# Altium PCB DDR3_Example.PcbDoc (part 1 of 6) (continued)
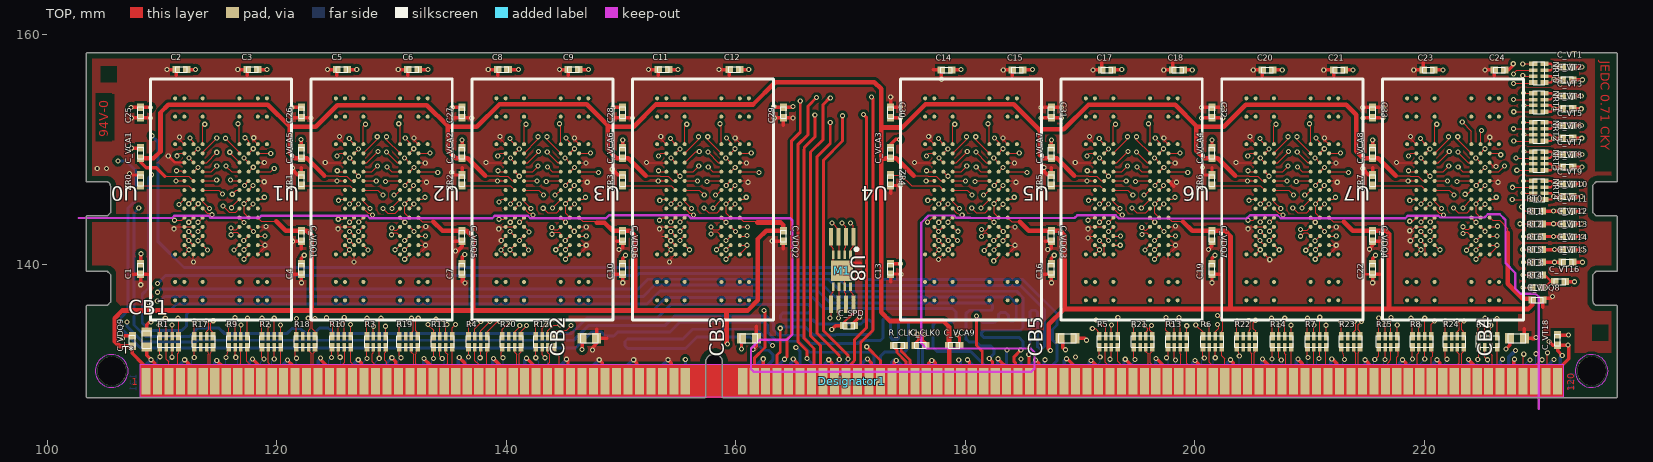
[diagram p0: TOP view]
## Footprints (in the part's own frame and the unit in brackets; to place one, negate y for a bottom-side part, rotate by r counter-clockwise, add the part's x,y. Pads: shape width x height; smd on the part's side, far side on the other; paste and mask are expansions set on the pad)
CHIP0402 [mm] "CHIP0402"
  rect 0.66x0.61 smd: 1(-0.46,0.005) 2(0.454,0.005)
  silkscreen extent -0.5,-0.24 0.5,0.26
CONN240_DDR3 [mm] "CONN240_DDR3"
  rect 0.8x2.3 smd: 1(-61.507,0.064) 2(-60.507,0.064) 3(-59.507,0.064) 4(-58.507,0.064) 5(-57.507,0.064) 6(-56.507,0.064) 7(-55.507,0.064) 8(-54.507,0.064) 9(-53.507,0.064) 10(-52.507,0.064) 11(-51.507,0.064) 12(-50.507,0.064) 13(-49.507,0.064) 14(-48.507,0.064) 15(-47.507,0.064) 16(-46.507,0.064) 17(-45.507,0.064) 18(-44.507,0.064) 19(-43.507,0.064) 20(-42.507,0.064) 21(-41.507,0.064) 22(-40.507,0.064) 23(-39.507,0.064) 24(-38.507,0.064) 25(-37.507,0.064) 26(-36.507,0.064) 27(-35.507,0.064) 28(-34.507,0.064) 29(-33.507,0.064) 30(-32.507,0.064) 31(-31.507,0.064) 32(-30.507,0.064) 33(-29.507,0.064) 34(-28.507,0.064) 35(-27.507,0.064) 36(-26.507,0.064) 37(-25.507,0.064) 38(-24.507,0.064) 39(-23.507,0.064) 40(-22.507,0.064) 41(-21.507,0.064) 42(-20.507,0.064) 43(-19.507,0.064) 44(-18.507,0.064) 45(-17.507,0.064) 46(-16.507,0.064) 47(-15.507,0.064) 48(-14.507,0.064) 49(-9.507,0.064) 50(-8.507,0.064) 51(-7.507,0.064) 52(-6.507,0.064) 53(-5.507,0.064) 54(-4.507,0.064) 55(-3.507,0.064) 56(-2.507,0.064) 57(-1.507,0.064) 58(-0.507,0.064) 59(0.493,0.064) 60(1.493,0.064) 61(2.493,0.064) 62(3.493,0.064) 63(4.493,0.064) 64(5.493,0.064) 65(6.493,0.064) 66(7.493,0.064) 67(8.493,0.064) 68(9.493,0.064) 69(10.493,0.064) 70(11.493,0.064) 71(12.493,0.064) 72(13.493,0.064) 73(14.493,0.064) 74(15.493,0.064) 75(16.493,0.064) 76(17.493,0.064) 77(18.493,0.064) 78(19.493,0.064) 79(20.493,0.064) 80(21.493,0.064) 81(22.493,0.064) 82(23.493,0.064) 83(24.493,0.064) 84(25.493,0.064) 85(26.493,0.064) 86(27.493,0.064) 87(28.493,0.064) 88(29.493,0.064) 89(30.493,0.064) 90(31.493,0.064) 91(32.493,0.064) 92(33.493,0.064) 93(34.493,0.064) 94(35.493,0.064) 95(36.493,0.064) 96(37.493,0.064) 97(38.493,0.064) 98(39.493,0.064) 99(40.493,0.064) 100(41.493,0.064) 101(42.493,0.064) 102(43.493,0.064) 103(44.493,0.064) 104(45.493,0.064) 105(46.493,0.064) 106(47.493,0.064) 107(48.493,0.064) 108(49.493,0.064) 109(50.493,0.064) 110(51.493,0.064) 111(52.493,0.064) 112(53.493,0.064) 113(54.493,0.064) 114(55.493,0.064) 115(56.493,0.064) 116(57.493,0.064) 117(58.493,0.064) 118(59.493,0.064) 119(60.493,0.064) 120(61.493,0.064)
  rect 0.8x2.3 smd far side: 121(-61.507,0.064) 122(-60.507,0.064) 123(-59.507,0.064) 124(-58.507,0.064) 125(-57.507,0.064) 126(-56.507,0.064) 127(-55.507,0.064) 128(-54.507,0.064) 129(-53.507,0.064) 130(-52.507,0.064) 131(-51.507,0.064) 132(-50.507,0.064) 133(-49.507,0.064) 134(-48.507,0.064) 135(-47.507,0.064) 136(-46.507,0.064) 137(-45.507,0.064) 138(-44.507,0.064) 139(-43.507,0.064) 140(-42.507,0.064) 141(-41.507,0.064) 142(-40.507,0.064) 143(-39.507,0.064) 144(-38.507,0.064) 145(-37.507,0.064) 146(-36.507,0.064) 147(-35.507,0.064) 148(-34.507,0.064) 149(-33.507,0.064) 150(-32.507,0.064) 151(-31.507,0.064) 152(-30.507,0.064) 153(-29.507,0.064) 154(-28.507,0.064) 155(-27.507,0.064) 156(-26.507,0.064) 157(-25.507,0.064) 158(-24.507,0.064) 159(-23.507,0.064) 160(-22.507,0.064) 161(-21.507,0.064) 162(-20.507,0.064) 163(-19.507,0.064) 164(-18.507,0.064) 165(-17.507,0.064) 166(-16.507,0.064) 167(-15.507,0.064) 168(-14.507,0.064) 169(-9.507,0.064) 170(-8.507,0.064) 171(-7.507,0.064) 172(-6.507,0.064) 173(-5.507,0.064) 174(-4.507,0.064) 175(-3.507,0.064) 176(-2.507,0.064) 177(-1.507,0.064) 178(-0.507,0.064) 179(0.493,0.064) 180(1.493,0.064) 181(2.493,0.064) 182(3.493,0.064) 183(4.493,0.064) 184(5.493,0.064) 185(6.493,0.064) 186(7.493,0.064) 187(8.493,0.064) 188(9.493,0.064) 189(10.493,0.064) 190(11.493,0.064) 191(12.493,0.064) 192(13.493,0.064) 193(14.493,0.064) 194(15.493,0.064) 195(16.493,0.064) 196(17.493,0.064) 197(18.493,0.064) 198(19.493,0.064) 199(20.493,0.064) 200(21.493,0.064) 201(22.493,0.064) 202(23.493,0.064) 203(24.493,0.064) 204(25.493,0.064) 205(26.493,0.064) 206(27.493,0.064) 207(28.493,0.064) 208(29.493,0.064) 209(30.493,0.064) 210(31.493,0.064) 211(32.493,0.064) 212(33.493,0.064) 213(34.493,0.064) 214(35.493,0.064) 215(36.493,0.064) 216(37.493,0.064) 217(38.493,0.064) 218(39.493,0.064) 219(40.493,0.064) 220(41.493,0.064) 221(42.493,0.064) 222(43.493,0.064) 223(44.493,0.064) 224(45.493,0.064) 225(46.493,0.064) 226(47.493,0.064) 227(48.493,0.064) 228(49.493,0.064) 229(50.493,0.064) 230(51.493,0.064) 231(52.493,0.064) 232(53.493,0.064) 233(54.493,0.064) 234(55.493,0.064) 235(56.493,0.064) 236(57.493,0.064) 237(58.493,0.064) 238(59.493,0.064) 239(60.493,0.064) 240(61.493,0.064)
  Multi-Layer keep-out region: -62.007,-1.336 -62.007,1.564 61.993,1.564 61.993,-1.336 -62.007,-1.336
DDR3_FBGA78X8 [mm] "DDR3_FBGA78X8"
  round 0.35 smd: " "(-4,4.801) " "(-4,7.201) " "(-4,8.802) " "(-4,-8.798) " "(-4,-7.198) " "(-4,-4.798) " "(-3.2,8.802) " "(-3.2,7.201) " "(-3.2,-7.198) " "(-3.2,-8.798) " "(-1.6,8.802) " "(-1.6,7.201) " "(-1.6,-7.198) " "(-1.6,-8.798) " "(1.601,8.802) " "(1.601,7.201) " "(1.601,-7.198) " "(1.601,-8.798) " "(3.201,8.802) " "(3.201,7.201) " "(3.201,-7.198) " "(3.201,-8.798) " "(4.001,4.801) " "(4.001,7.201) " "(4.001,8.802) " "(4.001,-8.798) " "(4.001,-7.198) " "(4.001,-4.798) A1(-3.2,4.801) A2(-2.4,4.801) A3(-1.6,4.801) A7(1.601,4.801) A8(2.401,4.801) A9(3.201,4.801) B1(-3.2,4.001) B2(-2.4,4.001) B3(-1.6,4.001) B7(1.601,4.001) B8(2.401,4.001) B9(3.201,4.001) C1(-3.2,3.201) C2(-2.4,3.201) C3(-1.6,3.201) C7(1.601,3.201) C8(2.401,3.201) C9(3.201,3.201) D1(-3.2,2.401) D2(-2.4,2.401) D3(-1.6,2.401) D7(1.601,2.401) D8(2.401,2.401) D9(3.201,2.401) E1(-3.2,1.601) E2(-2.4,1.601) E3(-1.6,1.601) E7(1.601,1.601) E8(2.401,1.601) E9(3.201,1.601) F1(-3.2,0.8) F2(-2.4,0.8) F3(-1.6,0.8) F7(1.601,0.8) F8(2.401,0.8) F9(3.201,0.8) G1(-3.2,0) G2(-2.4,0) G3(-1.6,0) G7(1.601,0) G8(2.401,0) G9(3.201,0) H1(-3.2,-0.8) H2(-2.4,-0.8) H3(-1.6,-0.8) H7(1.601,-0.8) H8(2.401,-0.8) H9(3.201,-0.8) J1(-3.2,-1.6) J2(-2.4,-1.6) J3(-1.6,-1.6) J7(1.601,-1.6) J8(2.401,-1.6) J9(3.201,-1.6) K1(-3.2,-2.4) K2(-2.4,-2.4) K3(-1.6,-2.4) K7(1.601,-2.4) K8(2.401,-2.4) K9(3.201,-2.4) L1(-3.2,-3.197) L2(-2.4,-3.197) L3(-1.6,-3.197) L7(1.601,-3.197) L8(2.401,-3.197) L9(3.201,-3.2) M1(-3.2,-4) M2(-2.4,-3.998) M3(-1.6,-3.998) M7(1.601,-3.998) M8(2.401,-3.998) M9(3.201,-3.998) N1(-3.2,-4.798) N2(-2.4,-4.798) N3(-1.6,-4.798) N7(1.601,-4.798) N8(2.401,-4.798) N9(3.201,-4.798)
  silkscreen extent -6.15,-10.5 6.15,10.83
EEPROM_MLF_8PIN [mil] "EEPROM_MLF_8PIN"
  rect 30x9.29 smd: 1(-55,29.53) 2(-55,9.84) 3(-55,-9.84) 4(-55,-29.53) 5(55,-29.53) 6(55,-9.84) 7(55,9.84) 8(55,29.53)
  rect 69.02x75 smd: 9(0,0)
  silkscreen extent -78,45 -68,55
RPACK0402_4P [mm] "RPACK0402_4P"
  rect 0.406x0.711 smd: 1(-0.813,-0.483) 4(0.813,-0.483) 5(0.813,0.483) 8(-0.813,0.483)
  rect 0.305x0.711 smd: 2(-0.254,-0.483) 3(0.254,-0.483) 6(0.254,0.483) 7(-0.254,0.483)
  silkscreen extent -1,-0.5 1,0.5
SMC0603 [mil] "SMC0603"
  rect 35x30.98 smd: 1(0,30) 2(0,-20.98)
  silkscreen extent -15,-26 15,34
SSOP8_65MM [mm] "SSOP8_65MM"
  rect 1.52x0.35 smd: 1(-2.94,0.975) 2(-2.94,0.325) 3(-2.94,-0.325) 4(-2.94,-0.975) 5(2.94,-0.975) 6(2.94,-0.325) 7(2.94,0.325) 8(2.94,0.975)

## Free pads (board coordinates)
  rect 0x0 smd: 1(105.376,156.53) 1(235.326,134.03)
  round 2.5 hole 2.5: ""(105.626,130.68) ""(234.576,130.68)

## Via types
v1: diameter 0.45, hole 0.25, TOP to BOTTOM, 910 vias

## Nets (pads, with @x,y where several pads share a name; then routed paths per layer and width w, separated by ;. In a path a pad name is that pad's centre, name@x,y a point inside that pad or via, vN(x,y) a via of type N, cw(c..) or ccw(c..) an arc to the next point about the centre after c; other vN are vias at no path point)
A<0>: NRT3.1 U0.K3 U1.K3 U2.K3 U3.K3 U4.K3 U5.K3 U6.K3 U7.K3 | length 232.3
  TOP w0.1: v1(115.576,148.532) 116.065,148.043 U0.K3@116.746,148.043 ; v1(129.596,148.46) 130.013,148.043 U1.K3@130.746,148.043 ; v1(143.596,148.46) 144.013,148.043 U2.K3@144.746,148.043 ; v1(157.596,148.46) 158.013,148.043 U3.K3@158.746,148.043 ; v1(180.946,148.46) 181.363,148.043 U4.K3@182.096,148.043 ; v1(194.946,148.46) 195.363,148.043 U5.K3@196.096,148.043 ; v1(208.946,148.46) 209.363,148.043 U6.K3@210.096,148.043 ; v1(222.946,148.46) 223.363,148.043 U7.K3@224.096,148.043 ; v1(228.689,149.793) NRT3.1@229.493,149.793
  IN2_L4 w0.17: 109.643,144.177 109.643,146.06 110.626,147.043 110.626,147.27 111.036,147.68 111.4,147.68 111.52,147.56 114.006,147.56 114.366,147.92 114.964,147.92 v1(115.576,148.532) 115.692,148.416 117.35,148.416 117.764,148.002 117.958,148.002 117.96,148 118.326,148 118.601,148.275 119.031,148.275 119.542,148.786 121.161,148.786 121.194,148.819 123.183,148.819 123.772,148.23 124.757,148.23 125.094,148.567 125.834,148.567 126.111,148.29 127.416,148.29 127.686,148.02 129.156,148.02 v1(129.596,148.46) 129.652,148.404 131.348,148.404 131.509,148.243 131.509,148.239 131.764,147.984 132.128,147.984 132.507,148.363 133.118,148.363 133.125,148.37 133.446,148.37 134.106,149.03 134.756,149.03 135.006,148.78 137.386,148.78 137.786,148.38 138.907,148.38 139.094,148.567 139.458,148.567 139.679,148.346 142.341,148.346 142.594,148.093 142.957,148.093 142.994,148.13 143.266,148.13 v1(143.596,148.46) 143.652,148.404 145.348,148.404 145.509,148.243 145.509,148.239 145.764,147.984 146.128,147.984 146.507,148.363 147.609,148.363 148.296,149.05 148.656,149.05 148.976,148.73 151.546,148.73 151.906,148.37 152.897,148.37 153.094,148.567 153.458,148.567 153.679,148.346 156.341,148.346 156.594,148.093 157.229,148.093 v1(157.596,148.46) 157.652,148.404 159.348,148.404 159.509,148.243 159.509,148.239 159.764,147.984 160.128,147.984 160.507,148.363 161.118,148.363 161.125,148.37 161.246,148.37 161.656,148.78 162.796,148.78 163.206,148.37 166.266,148.37 166.606,148.71 168.022,148.71 168.386,148.346 176.223,148.346 176.444,148.567 176.808,148.567 177.215,148.16 178.616,148.16 178.756,148.02 180.506,148.02 v1(180.946,148.46) 181.002,148.404 182.698,148.404 182.859,148.243 182.859,148.239 183.114,147.984 183.478,147.984 183.857,148.363 184.679,148.363 184.986,148.67 185.995,148.67 186.684,147.981 189.347,147.981 189.933,148.567 190.808,148.567 191.029,148.346 193.691,148.346 193.944,148.093 194.439,148.093 194.806,148.46 v1(194.946,148.46) 195.002,148.404 196.698,148.404 196.859,148.243 196.859,148.239 197.114,147.984 197.478,147.984 197.857,148.363 198.468,148.363 198.475,148.37 199.137,148.37 199.604,148.837 202.859,148.837 203.466,148.23 204.107,148.23 204.444,148.567 204.808,148.567 205.029,148.346 207.691,148.346 207.967,148.07 208.446,148.07 208.836,148.46 v1(208.946,148.46) 209.002,148.404 210.698,148.404 210.859,148.243 210.859,148.239 211.114,147.984 211.478,147.984 211.857,148.363 212.468,148.363 212.475,148.37 213.076,148.37 213.496,148.79 215.026,148.79 215.376,148.44 215.929,148.44 216.219,148.73 216.906,148.73 217.266,148.37 218.247,148.37 218.444,148.567 218.808,148.567 219.029,148.346 221.39,148.346 221.643,148.093 222.579,148.093 v1(222.946,148.46) 223.018,148.532 224.672,148.532 225.13,148.99 226.816,148.99 227.621,149.795 228.154,149.795 228.156,149.793 v1(228.689,149.793)
  IN2_L4 w0.254: 109.643,144.177 109.643,143.169 109.642,143.168 109.642,141.894 109.942,141.594 109.942,139.634 113.292,136.284 113.292,134.693 113.886,134.101 145.741,134.101 146.245,133.597 147.088,133.597 148.636,135.145 159.871,135.145 162.664,132.352 164.068,132.352 165.086,133.37 167.316,133.37 167.786,132.9 170.026,132.9 170.556,133.43 171.556,133.43 171.968,133.018 171.968,130.288 172.966,129.29 179.696,129.29 180.126,129.72 180.126,130.36 179.426,131.06 v1(179.426,131.63)
  BOTTOM w0.254: v1(179.426,131.63) 179.596,131.46 179.596,131.211 179.601,131.206 179.601,129.784
A<1>: NRT1.4 U0.L7 U1.L7 U2.L7 U3.L7 U4.L7 U5.L7 U6.L7 U7.L7 | length 244
  TOP w0.1: U0.L7@113.545,148.84 113.882,148.84 v1(114.776,149.734) ; U1.L7@127.545,148.84 127.862,148.84 128.818,149.796 v1(128.818,149.804) ; U2.L7@141.545,148.84 141.862,148.84 142.818,149.796 v1(142.818,149.804) ; U3.L7@155.545,148.84 156.509,149.804 v1(156.818,149.804) ; U4.L7@178.895,148.84 179.212,148.84 180.168,149.796 v1(180.168,149.804) ; U5.L7@192.895,148.84 193.212,148.84 194.168,149.796 v1(194.168,149.804) ; U6.L7@206.895,148.84 207.204,148.84 v1(208.168,149.804) ; U7.L7@220.895,148.84 221.204,148.84 v1(222.168,149.804) ; v1(227.789,153.267) NRT1.4@229.493,153.267
  IN2_L4 w0.17: 107.831,146.555 108.5,147.224 108.5,148.164 110.216,149.88 112.446,149.88 112.733,149.593 114.635,149.593 v1(114.776,149.734) 114.811,149.769 115.319,149.769 115.73,150.18 116.326,150.18 116.677,150.531 118.256,150.531 118.625,150.9 121.326,150.9 121.823,150.403 122.559,150.403 122.956,150.8 125.066,150.8 125.463,150.403 126.858,150.403 126.955,150.5 127.606,150.5 128.302,149.804 v1(128.818,149.804) 128.904,149.89 129.066,149.89 129.666,150.49 132.186,150.49 133.016,151.32 134.986,151.32 135.924,150.382 140.848,150.382 140.947,150.481 141.411,150.481 141.969,149.923 142.699,149.923 v1(142.818,149.804) 143.115,150.101 143.133,150.101 143.522,150.49 144.026,150.49 144.276,150.24 144.856,150.24 145.106,150.49 146.196,150.49 146.676,150.97 149.166,150.97 149.754,150.382 153.038,150.382 153.266,150.61 154.018,150.61 154.147,150.481 155.411,150.481 156.088,149.804 v1(156.818,149.804) 156.86,149.804 157.161,150.105 157.281,150.105 157.666,150.49 160.156,150.49 160.536,150.87 161.446,150.87 162.176,150.14 174.346,150.14 175.106,150.9 176.096,150.9 176.525,150.471 179.501,150.471 v1(180.168,149.804) 180.254,149.89 180.416,149.89 181.016,150.49 183.776,150.49 184.266,150.98 185.146,150.98 185.744,150.382 187.828,150.382 188.206,150.76 190.138,150.76 190.516,150.382 192.198,150.382 192.297,150.481 192.761,150.481 193.204,150.038 193.934,150.038 v1(194.168,149.804) 194.465,150.101 194.483,150.101 194.872,150.49 197.496,150.49 197.886,150.88 200.476,150.88 200.974,150.382 201.898,150.382 202.366,150.85 204.038,150.85 204.506,150.382 206.198,150.382 206.297,150.481 206.761,150.481 207.438,149.804 v1(208.168,149.804) 208.465,150.101 208.483,150.101 208.872,150.49 211.526,150.49 212.196,151.16 212.776,151.16 213.156,150.78 214.596,150.78 214.994,150.382 217.878,150.382 218.106,150.61 219.118,150.61 219.346,150.382 220.198,150.382 220.297,150.481 220.761,150.481 221.438,149.804 v1(222.168,149.804) 222.33,149.804 223.519,150.993 223.66,150.993 224.107,151.44 224.126,151.44 225.953,153.267 v1(227.789,153.267)
  IN2_L4 w0.254: v1(106.962,134.96) 107.456,135.454 107.456,146.18 107.831,146.555
  BOTTOM w0.254: v1(106.962,134.96) 106.962,134.574 108.343,133.193 112.886,133.193 113.053,133.36 145.886,133.36 147.186,134.66 153.856,134.66 154.657,135.461 162.678,135.461 163.291,134.848 163.291,134.247 163.74,133.798 165.738,133.798 166.446,133.09 170.628,133.09 170.878,133.34 172.606,133.34 172.826,133.56 172.826,135.17 172.996,135.34 173.336,135.34 173.496,135.18 173.496,133.59 173.677,133.409 174.035,133.409 174.161,133.535 174.161,134.985 174.386,135.21 174.836,135.21 175.046,135 175.046,132.68 174.686,132.32 172.951,132.32 172.601,131.97 172.601,129.784
A<2>: NRT2.1 U0.L3 U1.L3 U2.L3 U3.L3 U4.L3 U5.L3 U6.L3 U7.L3 | length 234.5
  TOP w0.1: v1(115.905,149.736) 115.906,149.7 115.916,149.7 116.746,148.87 U0.L3@116.746,148.84 ; v1(129.57,149.749) 129.583,149.749 130.492,148.84 U1.L3@130.746,148.84 ; v1(143.57,149.749) 143.583,149.749 144.492,148.84 U2.L3@144.746,148.84 ; v1(157.57,149.749) 157.583,149.749 158.492,148.84 U3.L3@158.746,148.84 ; v1(180.92,149.749) 180.933,149.749 181.842,148.84 U4.L3@182.096,148.84 ; v1(194.92,149.749) 194.933,149.749 195.842,148.84 U5.L3@196.096,148.84 ; v1(208.92,149.749) 209.829,148.84 U6.L3@210.096,148.84 ; v1(222.92,149.749) 223.829,148.84 U7.L3@224.096,148.84 ; v1(228.639,152.343) NRT2.1@229.493,152.343
  TOP w0.254: v1(171.406,132.79) 172.601,131.595 172.601,129.784
  IN2_L4 w0.17: 108.634,146.41 108.634,146.678 110.923,148.967 111.847,148.967 112.044,148.77 112.786,148.77 113.126,149.11 114.866,149.11 115.125,149.369 115.538,149.369 v1(115.905,149.736) 115.906,149.737 116.603,149.737 116.916,150.05 117.326,150.05 117.764,149.612 118.268,149.612 119.016,150.36 121.166,150.36 121.799,149.727 122.693,149.727 123.198,150.232 124.746,150.232 125.007,149.971 126.385,149.971 127.059,149.297 129.117,149.297 v1@129.569,149.749 ; v1(129.57,149.749) 129.576,149.749 129.583,149.756 131.42,149.756 131.606,149.57 132.106,149.57 133.246,150.71 134.736,150.71 135.546,149.9 140.486,149.9 141.089,149.297 143.118,149.297 v1(143.57,149.749) 143.609,149.71 145.466,149.71 145.606,149.57 146.106,149.57 146.996,150.46 148.876,150.46 149.436,149.9 153.276,149.9 153.526,150.15 153.866,150.15 154.116,149.9 154.486,149.9 155.089,149.297 157.118,149.297 v1(157.57,149.749) 157.609,149.71 159.466,149.71 159.606,149.57 160.106,149.57 160.786,150.25 161.436,150.25 161.956,149.73 168.656,149.73 168.856,149.53 174.486,149.53 175.236,150.28 176.016,150.28 176.406,149.89 177.793,149.89 178.373,149.31 180.481,149.31 v1(180.92,149.749) 180.926,149.749 180.926,149.756 180.972,149.71 182.816,149.71 182.956,149.57 183.646,149.57 184.436,150.36 184.881,150.36 185.341,149.9 188.166,149.9 188.506,150.24 189.816,150.24 190.156,149.9 191.836,149.9 192.439,149.297 194.343,149.297 194.795,149.749 v1(194.92,149.749) 194.959,149.71 196.816,149.71 196.956,149.57 197.456,149.57 198.236,150.35 200.216,150.35 200.666,149.9 202.266,149.9 202.606,150.24 203.756,150.24 204.096,149.9 205.856,149.9 206.459,149.297 208.468,149.297 v1(208.92,149.749) v1@208.926,149.755 ; v1@208.926,149.756 209.19,150.02 210.506,150.02 210.956,149.57 211.456,149.57 212.186,150.3 214.346,150.3 214.746,149.9 218.236,149.9 218.436,150.1 218.846,150.1 219.046,149.9 219.896,149.9 220.499,149.297 222.468,149.297 v1(222.92,149.749) 222.985,149.749 223.776,150.54 224.506,150.54 226.309,152.343 v1(228.639,152.343)
  IN2_L4 w0.254: 108.634,146.41 108.634,144.12 108.206,143.692 108.206,141.6 108.635,141.171 108.635,140.409 108.226,140 108.226,139.209 108.635,138.8 108.635,137.309 108.187,136.861 108.187,133.949 108.996,133.14 109.692,133.14 109.976,133.424 109.976,133.88 110.166,134.07 110.526,134.07 110.746,133.85 110.746,133.34 110.982,133.104 111.241,133.104 111.464,133.327 111.464,133.697 111.677,133.91 111.993,133.91 112.216,133.687 112.216,133.257 112.439,133.034 144.732,133.034 145.725,132.041 147.805,132.041 148.014,132.25 155.356,132.25 155.806,132.7 155.806,133.66 156.071,133.925 159.121,133.925 159.916,133.13 159.916,131.69 161.166,130.44 170.356,130.44 170.776,130.86 170.776,132.47 171.096,132.79 v1(171.406,132.79)
A<3>: NRT3.2 U0.K2 U1.K2 U2.K2 U3.K2 U4.K2 U5.K2 U6.K2 U7.K2 | length 232.6
  TOP w0.1: U0.K2@117.546,148.043 117.942,148.439 v1(117.957,148.439) ; U1.K2@131.546,148.043 131.568,148.043 v1(131.946,148.421) ; U2.K2@145.546,148.043 145.568,148.043 v1(145.946,148.421) ; U3.K2@159.546,148.043 159.568,148.043 v1(159.946,148.421) ; U4.K2@182.896,148.043 182.918,148.043 v1(183.296,148.421) ; U5.K2@196.896,148.043 196.918,148.043 v1(197.296,148.421) ; U6.K2@210.896,148.043 210.918,148.043 v1(211.296,148.421) ; U7.K2@224.896,148.043 224.918,148.043 v1(225.296,148.421) ; v1(227.996,149.24) 228.002,149.234 NRT3.2@229.493,149.234
  IN1_L3 w0.17: 109.777,148.942 110.345,148.374 110.901,148.374 111.097,148.57 112.566,148.57 112.832,148.836 113.466,148.836 114.197,148.105 116.006,148.105 116.281,148.38 117.898,148.38 v1(117.957,148.439) 118.376,148.02 118.471,148.02 118.482,148.01 119.432,148.01 119.622,147.82 120.056,147.82 120.486,148.25 120.876,148.25 121.306,147.82 121.716,147.82 122.046,148.15 124.376,148.15 124.793,148.567 127.859,148.567 128.353,148.073 129.014,148.073 129.067,148.02 131.545,148.02 v1(131.946,148.421) 131.956,148.411 132.135,148.411 132.583,147.963 133.284,147.963 133.748,148.427 137.639,148.427 138.036,148.03 138.384,148.03 138.921,148.567 139.569,148.567 140.043,148.093 140.509,148.093 140.706,148.29 141.829,148.29 142.026,148.093 142.994,148.093 143.064,148.023 144.019,148.023 144.346,148.35 145.875,148.35 v1(145.946,148.421) 146.356,148.011 146.447,148.011 146.497,147.963 147.284,147.963 147.748,148.427 148.379,148.427 148.987,147.819 149.435,147.819 149.806,148.19 152.544,148.19 152.921,148.567 153.939,148.567 154.378,148.128 156.559,148.128 156.594,148.093 157.344,148.093 157.414,148.023 158.626,148.023 158.833,148.23 159.755,148.23 v1(159.946,148.421) 160.125,148.421 160.583,147.963 161.38,147.963 161.844,148.427 171.756,148.427 172.303,147.88 175.757,147.88 176.444,148.567 176.859,148.567 177.416,148.01 177.996,148.01 178.296,148.31 179.516,148.31 179.753,148.073 180.364,148.073 180.414,148.023 181.249,148.023 181.346,148.12 182.995,148.12 v1(183.296,148.421) 183.306,148.411 183.485,148.411 183.933,147.963 184.634,147.963 185.098,148.427 186.039,148.427 186.536,147.93 187.036,147.93 187.476,148.37 189.106,148.37 189.266,148.21 189.914,148.21 190.271,148.567 191.289,148.567 191.556,148.3 193.737,148.3 193.944,148.093 194.344,148.093 194.414,148.023 195.835,148.023 196.042,148.23 197.105,148.23 v1(197.296,148.421) ; v1@197.315,148.442 197.296,148.442 v1(197.296,148.421) ; v1(227.996,149.24) 227.596,148.84 227.596,148.395 227.246,148.045 226.041,148.045 225.665,148.421 v1(225.296,148.421) 225.185,148.31 223.546,148.31 223.259,148.023 222.414,148.023 222.364,148.073 221.964,148.073 221.909,148.128 220.298,148.128 219.846,148.58 218.284,148.58 217.994,148.29 215.366,148.29 214.895,147.819 214.337,147.819 213.729,148.427 213.098,148.427 212.634,147.963 211.933,147.963 211.835,148.06 211.475,148.421 v1(211.296,148.421) 211.165,148.29 209.526,148.29 209.259,148.023 208.764,148.023 208.694,148.093 207.944,148.093 207.909,148.128 205.728,148.128 205.289,148.567 204.093,148.567 203.866,148.34 201.336,148.34 200.815,147.819 200.337,147.819 199.729,148.427 199.098,148.427 198.634,147.963 197.853,147.963 197.395,148.421 v1(197.296,148.421)
  IN1_L3 w0.254: v1(106.166,148.98) 106.176,148.98 106.776,148.38 108.876,148.38 109.036,148.54 109.036,148.84 108.916,148.96 107.066,148.96 106.915,149.111 106.915,149.43 107.065,149.58 109.407,149.58 109.667,149.32 109.667,149.052 109.777,148.942
  BOTTOM w0.254: v1(106.166,148.98) 106.876,148.98 107.706,148.15 107.706,145.52 107.046,144.86 107.046,135.95 106.446,135.35 106.446,134.36 108.026,132.78 108.043,132.78 108.134,132.689 146.055,132.689 147.456,134.09 148.276,134.09 148.626,133.74 149.356,133.74 149.706,134.09 154.266,134.09 155.106,134.93 162.496,134.93 162.786,134.64 162.786,134.039 163.556,133.269 165.457,133.269 166.415,132.311 171.785,132.311 172.036,132.06 172.036,131.36 171.601,130.925 171.601,129.784
A<4>: NRT2.4 U0.L8 U1.L8 U2.L8 U3.L8 U4.L8 U5.L8 U6.L8 U7.L8 | length 233.3
  TOP w0.1: v1(112.366,149.23) 112.745,148.851 U0.L8@112.745,148.84 ; v1(126.356,149.23) U1.L8@126.745,148.84 ; v1(140.356,149.23) U2.L8@140.745,148.84 ; v1(154.356,149.23) U3.L8@154.745,148.84 ; v1(177.706,149.23) U4.L8@178.095,148.84 ; v1(191.706,149.23) U5.L8@192.095,148.84 ; v1(205.706,149.23) U6.L8@206.095,148.84 ; v1(219.706,149.23) U7.L8@220.095,148.84 ; v1(227.789,150.717) NRT2.4@229.493,150.717
  TOP w0.254: 170.601,129.784 170.546,129.839 170.546,130.782 170.884,131.12 170.884,131.262 170.885,131.263 170.885,132.408 170.884,132.409 170.884,133.161 171.96,134.237 171.96,154.416 v1(171.816,154.56)
  IN1_L3 w0.1: v1(112.366,149.23) v1@112.439,149.23
  IN1_L3 w0.17: 110.561,155.585 110.109,155.133 110.109,149.236 110.364,148.981 112.117,148.981 v1(112.366,149.23) ; v1@112.439,149.23 112.443,149.23 112.449,149.236 113.8,149.236 114.069,148.967 115.76,148.967 115.947,148.78 117.679,148.78 117.771,148.872 118.272,148.872 118.734,148.41 119.098,148.41 119.478,148.79 119.936,148.79 120.206,149.06 121.006,149.06 121.246,148.82 123.256,148.82 123.886,149.45 124.436,149.45 124.919,148.967 126.093,148.967 v1(126.356,149.23) 126.616,148.97 126.938,148.97 126.941,148.967 128.958,148.967 129.015,148.91 129.936,148.91 130.306,148.54 131.446,148.54 131.764,148.858 132.254,148.858 132.749,148.363 133.118,148.363 133.582,148.827 137.333,148.827 137.956,149.45 138.486,149.45 138.969,148.967 140.052,148.967 140.326,149.241 v1(140.356,149.23) 140.826,148.76 142.387,148.76 142.594,148.967 142.958,148.967 143.028,148.897 143.778,148.897 143.871,148.804 145.539,148.804 145.593,148.858 146.167,148.858 146.435,148.59 146.626,148.4 146.663,148.363 147.118,148.363 147.582,148.827 151.193,148.827 151.816,149.45 152.456,149.45 152.939,148.967 154.093,148.967 v1(154.356,149.23) 154.619,148.967 156.958,148.967 157.015,148.91 157.936,148.91 158.146,148.7 159.256,148.7 159.414,148.858 160.254,148.858 160.749,148.363 161.214,148.363 161.688,148.837 161.749,148.837 161.954,149.042 162.626,149.042 162.826,148.842 172.166,148.842 172.428,148.58 174.694,148.58 175.394,149.28 176.026,149.28 176.339,148.967 177.443,148.967 v1(177.706,149.23) 177.969,148.967 180.308,148.967 180.365,148.91 181.286,148.91 181.576,148.62 182.876,148.62 183.114,148.858 183.604,148.858 184.099,148.363 184.468,148.363 184.932,148.827 185.195,148.827 185.238,148.87 188.786,148.87 189.396,149.48 189.776,149.48 190.289,148.967 191.443,148.967 v1(191.706,149.23) 191.969,148.967 194.308,148.967 194.378,148.897 195.128,148.897 195.221,148.804 196.889,148.804 196.945,148.86 197.601,148.86 197.785,148.676 198.099,148.363 198.468,148.363 198.932,148.827 199.303,148.827 199.666,149.19 200.166,149.19 200.519,148.837 200.838,148.837 200.848,148.827 202.773,148.827 203.276,149.33 203.886,149.33 204.249,148.967 205.402,148.967 205.665,149.23 v1(205.706,149.23) 206.089,148.847 207.824,148.847 207.944,148.967 208.308,148.967 208.378,148.897 209.128,148.897 209.221,148.804 210.656,148.804 210.71,148.858 211.603,148.858 211.785,148.676 212.099,148.363 212.468,148.363 212.932,148.827 213.183,148.827 213.483,149.127 214.593,149.127 214.85,148.87 216.726,148.87 217.196,149.34 217.698,149.34 218.058,148.98 219.415,148.98 219.665,149.23 v1(219.706,149.23) 219.936,149.23 220.466,148.7 221.677,148.7 221.944,148.967 222.308,148.967 222.378,148.897 223.128,148.897 223.221,148.804 225.06,148.804 225.114,148.858 225.984,148.858 226.06,148.934 226.73,148.934 227.789,149.993 v1(227.789,150.717)
  IN1_L3 w0.254: 110.561,155.585 111.124,156.148 173.298,156.148 173.526,155.92 173.526,155.498 173.286,155.258 172.034,155.258 171.816,155.04 v1(171.816,154.56)

## Text inside footprints (layer, text, board x,y; h text height)
U2: PIN_NUMBER "A7" at 141.037,140.842 h0.64 r180; PIN_NUMBER "A3" at 144.238,140.842 h0.64 r180; PIN_NUMBER "F9" at 139.437,144.843 h0.64 r180; PIN_NUMBER "H1" at 145.838,146.443 h0.64 r180; PIN_NUMBER "F1" at 145.838,144.843 h0.64 r180; PIN_NUMBER "H9" at 139.437,146.443 h0.64 r180; PIN_NUMBER "C3" at 144.238,142.442 h0.64 r180; PIN_NUMBER "D3" at 144.238,143.242 h0.64 r180; PIN_NUMBER "B7" at 141.037,141.642 h0.64 r180; PIN_NUMBER "H8" at 140.237,146.443 h0.64 r180; PIN_NUMBER "H3" at 144.238,146.443 h0.64 r180; PIN_NUMBER "E1" at 145.838,144.042 h0.64 r180; PIN_NUMBER "J8" at 140.237,147.243 h0.64 r180; PIN_NUMBER "N2" at 145.038,150.441 h0.64 r180; PIN_NUMBER "F3" at 144.238,144.843 h0.64 r180; PIN_NUMBER "G1" at 145.838,145.643 h0.64 r180; PIN_NUMBER "B3" at 144.238,141.642 h0.64 r180; PIN_NUMBER "C2" at 145.038,142.442 h0.64 r180; PIN_NUMBER "C7" at 141.037,142.442 h0.64 r180; PIN_NUMBER "E8" at 140.237,144.042 h0.64 r180; PIN_NUMBER "E3" at 144.238,144.042 h0.64 r180; PIN_NUMBER "D2" at 145.038,143.242 h0.64 r180; PIN_NUMBER "E7" at 141.037,144.042 h0.64 r180; PIN_NUMBER "C8" at 140.237,142.442 h0.64 r180; PIN_NUMBER "H2" at 145.038,146.443 h0.64 r180; PIN_NUMBER "G9" at 139.437,145.643 h0.64 r180; PIN_NUMBER "G7" at 141.037,145.643 h0.64 r180; PIN_NUMBER "F7" at 141.037,144.843 h0.64 r180; PIN_NUMBER "G3" at 144.238,145.643 h0.64 r180; PIN_NUMBER "J3" at 144.238,147.243 h0.64 r180; PIN_NUMBER "K8" at 140.237,148.043 h0.64 r180; PIN_NUMBER "J2" at 145.038,147.243 h0.64 r180; PIN_NUMBER "M3" at 144.238,149.641 h0.64 r180; PIN_NUMBER "N8" at 140.237,150.441 h0.64 r180; PIN_NUMBER "M2" at 145.038,149.641 h0.64 r180; PIN_NUMBER "M8" at 140.237,149.641 h0.64 r180; PIN_NUMBER "L2" at 145.038,148.84 h0.64 r180; PIN_NUMBER "L8" at 140.237,148.84 h0.64 r180; PIN_NUMBER "K2" at 145.038,148.043 h0.64 r180; PIN_NUMBER "L3" at 144.238,148.84 h0.64 r180; PIN_NUMBER "L7" at 141.037,148.84 h0.64 r180; PIN_NUMBER "J7" at 141.037,147.243 h0.64 r180; PIN_NUMBER "N7" at 141.037,150.441 h0.64 r180; PIN_NUMBER "N3" at 144.238,150.441 h0.64 r180; PIN_NUMBER "K7" at 141.037,148.043 h0.64 r180; PIN_NUMBER "M7" at 141.037,149.641 h0.64 r180; PIN_NUMBER "H7" at 141.037,146.443 h0.64 r180; PIN_NUMBER "K3" at 144.238,148.043 h0.64 r180; PIN_NUMBER "N1" at 145.838,150.441 h0.64 r180; PIN_NUMBER "C9" at 139.437,142.442 h0.64 r180; PIN_NUMBER "B8" at 140.237,141.642 h0.64 r180; PIN_NUMBER "A8" at 140.237,140.842 h0.64 r180; PIN_NUMBER "L1" at 145.838,148.84 h0.64 r180; PIN_NUMBER "N9" at 139.513,151.358 h0.64 r180; PIN_NUMBER "A1" at 145.838,140.842 h0.64 r180; PIN_NUMBER "D1" at 145.838,143.242 h0.64 r180; PIN_NUMBER "B1" at 145.838,141.642 h0.64 r180; PIN_NUMBER "J9" at 139.437,147.243 h0.64 r180; PIN_NUMBER "L9" at 139.437,148.843 h0.64 r180; PIN_NUMBER "D9" at 139.437,143.242 h0.64 r180; PIN_NUMBER "J1" at 145.838,147.243 h0.64 r180; PIN_NUMBER "B2" at 145.038,141.642 h0.64 r180; PIN_NUMBER "D8" at 140.237,143.242 h0.64 r180; PIN_NUMBER "F8" at 140.237,144.843 h0.64 r180; PIN_NUMBER "F2" at 145.038,144.843 h0.64 r180; PIN_NUMBER "K9" at 139.437,148.043 h0.64 r180; PIN_NUMBER "G8" at 140.237,145.643 h0.64 r180; PIN_NUMBER "M9" at 139.437,149.641 h0.64 r180; PIN_NUMBER "M1" at 145.838,149.643 h0.64 r180; PIN_NUMBER "G2" at 145.038,145.643 h0.64 r180; PIN_NUMBER "E2" at 145.038,144.042 h0.64 r180; PIN_NUMBER "K1" at 145.838,148.043 h0.64 r180; PIN_NUMBER "E9" at 139.437,144.042 h0.64 r180; PIN_NUMBER "D7" at 141.037,143.242 h0.64 r180; PIN_NUMBER "B9" at 139.437,141.642 h0.64 r180; PIN_NUMBER "A9" at 139.437,140.842 h0.64 r180; PIN_NUMBER "A2" at 145.038,140.842 h0.64 r180; PIN_NUMBER "C1" at 145.838,142.442 h0.64 r180
U3: PIN_NUMBER "A7" at 155.037,140.842 h0.64 r180; PIN_NUMBER "A3" at 158.238,140.842 h0.64 r180; PIN_NUMBER "F9" at 153.437,144.843 h0.64 r180; PIN_NUMBER "H1" at 159.838,146.443 h0.64 r180; PIN_NUMBER "F1" at 159.838,144.843 h0.64 r180; PIN_NUMBER "H9" at 153.437,146.443 h0.64 r180; PIN_NUMBER "C3" at 158.238,142.442 h0.64 r180; PIN_NUMBER "D3" at 158.238,143.242 h0.64 r180; PIN_NUMBER "B7" at 155.037,141.642 h0.64 r180; PIN_NUMBER "H8" at 154.237,146.443 h0.64 r180; PIN_NUMBER "H3" at 158.238,146.443 h0.64 r180; PIN_NUMBER "E1" at 159.838,144.042 h0.64 r180; PIN_NUMBER "J8" at 154.237,147.243 h0.64 r180; PIN_NUMBER "N2" at 159.038,150.441 h0.64 r180; PIN_NUMBER "F3" at 158.238,144.843 h0.64 r180; PIN_NUMBER "G1" at 159.838,145.643 h0.64 r180; PIN_NUMBER "B3" at 158.238,141.642 h0.64 r180; PIN_NUMBER "C2" at 159.038,142.442 h0.64 r180; PIN_NUMBER "C7" at 155.037,142.442 h0.64 r180; PIN_NUMBER "E8" at 154.237,144.042 h0.64 r180; PIN_NUMBER "E3" at 158.238,144.042 h0.64 r180; PIN_NUMBER "D2" at 159.038,143.242 h0.64 r180; PIN_NUMBER "E7" at 155.037,144.042 h0.64 r180; PIN_NUMBER "C8" at 154.237,142.442 h0.64 r180; PIN_NUMBER "H2" at 159.038,146.443 h0.64 r180; PIN_NUMBER "G9" at 153.437,145.643 h0.64 r180; PIN_NUMBER "G7" at 155.037,145.643 h0.64 r180; PIN_NUMBER "F7" at 155.037,144.843 h0.64 r180; PIN_NUMBER "G3" at 158.238,145.643 h0.64 r180; PIN_NUMBER "J3" at 158.238,147.243 h0.64 r180; PIN_NUMBER "K8" at 154.237,148.043 h0.64 r180; PIN_NUMBER "J2" at 159.038,147.243 h0.64 r180; PIN_NUMBER "M3" at 158.238,149.641 h0.64 r180; PIN_NUMBER "N8" at 154.237,150.441 h0.64 r180; PIN_NUMBER "M2" at 159.038,149.641 h0.64 r180; PIN_NUMBER "M8" at 154.237,149.641 h0.64 r180; PIN_NUMBER "L2" at 159.038,148.84 h0.64 r180; PIN_NUMBER "L8" at 154.237,148.84 h0.64 r180; PIN_NUMBER "K2" at 159.038,148.043 h0.64 r180; PIN_NUMBER "L3" at 158.238,148.84 h0.64 r180; PIN_NUMBER "L7" at 155.037,148.84 h0.64 r180; PIN_NUMBER "J7" at 155.037,147.243 h0.64 r180; PIN_NUMBER "N7" at 155.037,150.441 h0.64 r180; PIN_NUMBER "N3" at 158.238,150.441 h0.64 r180; PIN_NUMBER "K7" at 155.037,148.043 h0.64 r180; PIN_NUMBER "M7" at 155.037,149.641 h0.64 r180; PIN_NUMBER "H7" at 155.037,146.443 h0.64 r180; PIN_NUMBER "K3" at 158.238,148.043 h0.64 r180; PIN_NUMBER "A1" at 159.838,140.842 h0.64 r180; PIN_NUMBER "D1" at 159.838,143.242 h0.64 r180; PIN_NUMBER "B1" at 159.838,141.642 h0.64 r180; PIN_NUMBER "J9" at 153.437,147.243 h0.64 r180; PIN_NUMBER "D9" at 153.437,143.242 h0.64 r180; PIN_NUMBER "D8" at 154.237,143.242 h0.64 r180; PIN_NUMBER "C9" at 153.437,142.442 h0.64 r180; PIN_NUMBER "B2" at 159.038,141.642 h0.64 r180; PIN_NUMBER "B8" at 154.237,141.642 h0.64 r180; PIN_NUMBER "A8" at 154.237,140.842 h0.64 r180; PIN_NUMBER "J1" at 159.838,147.243 h0.64 r180; PIN_NUMBER "L9" at 153.437,148.843 h0.64 r180; PIN_NUMBER "N9" at 153.513,151.358 h0.64 r180; PIN_NUMBER "L1" at 159.838,148.84 h0.64 r180; PIN_NUMBER "N1" at 159.838,150.441 h0.64 r180; PIN_NUMBER "F8" at 154.237,144.843 h0.64 r180; PIN_NUMBER "F2" at 159.038,144.843 h0.64 r180; PIN_NUMBER "G8" at 154.237,145.643 h0.64 r180; PIN_NUMBER "M9" at 153.437,149.641 h0.64 r180; PIN_NUMBER "K9" at 153.437,148.043 h0.64 r180; PIN_NUMBER "G2" at 159.038,145.643 h0.64 r180; PIN_NUMBER "E2" at 159.038,144.042 h0.64 r180; PIN_NUMBER "M1" at 159.838,149.643 h0.64 r180; PIN_NUMBER "K1" at 159.838,148.043 h0.64 r180; PIN_NUMBER "A2" at 159.038,140.842 h0.64 r180; PIN_NUMBER "A9" at 153.437,140.842 h0.64 r180; PIN_NUMBER "B9" at 153.437,141.642 h0.64 r180; PIN_NUMBER "D7" at 155.037,143.242 h0.64 r180; PIN_NUMBER "E9" at 153.437,144.042 h0.64 r180; PIN_NUMBER "C1" at 159.838,142.442 h0.64 r180
U4: PIN_NUMBER "A7" at 178.387,140.842 h0.64 r180; PIN_NUMBER "A3" at 181.588,140.842 h0.64 r180; PIN_NUMBER "F9" at 176.787,144.843 h0.64 r180; PIN_NUMBER "H1" at 183.188,146.443 h0.64 r180; PIN_NUMBER "F1" at 183.188,144.843 h0.64 r180; PIN_NUMBER "H9" at 176.787,146.443 h0.64 r180; PIN_NUMBER "C3" at 181.588,142.442 h0.64 r180; PIN_NUMBER "D3" at 181.588,143.242 h0.64 r180; PIN_NUMBER "B7" at 178.387,141.642 h0.64 r180; PIN_NUMBER "H8" at 177.587,146.443 h0.64 r180; PIN_NUMBER "H3" at 181.588,146.443 h0.64 r180; PIN_NUMBER "E1" at 183.188,144.042 h0.64 r180; PIN_NUMBER "J8" at 177.587,147.243 h0.64 r180; PIN_NUMBER "N2" at 182.388,150.441 h0.64 r180; PIN_NUMBER "F3" at 181.588,144.843 h0.64 r180; PIN_NUMBER "G1" at 183.188,145.643 h0.64 r180; PIN_NUMBER "B3" at 181.588,141.642 h0.64 r180; PIN_NUMBER "C2" at 182.388,142.442 h0.64 r180; PIN_NUMBER "C7" at 178.387,142.442 h0.64 r180; PIN_NUMBER "E8" at 177.587,144.042 h0.64 r180; PIN_NUMBER "E3" at 181.588,144.042 h0.64 r180; PIN_NUMBER "D2" at 182.388,143.242 h0.64 r180; PIN_NUMBER "E7" at 178.387,144.042 h0.64 r180; PIN_NUMBER "C8" at 177.587,142.442 h0.64 r180; PIN_NUMBER "H2" at 182.388,146.443 h0.64 r180; PIN_NUMBER "G9" at 176.787,145.643 h0.64 r180; PIN_NUMBER "G7" at 178.387,145.643 h0.64 r180; PIN_NUMBER "F7" at 178.387,144.843 h0.64 r180; PIN_NUMBER "G3" at 181.588,145.643 h0.64 r180; PIN_NUMBER "J3" at 181.588,147.243 h0.64 r180; PIN_NUMBER "K8" at 177.587,148.043 h0.64 r180; PIN_NUMBER "J2" at 182.388,147.243 h0.64 r180; PIN_NUMBER "M3" at 181.588,149.641 h0.64 r180; PIN_NUMBER "N8" at 177.587,150.441 h0.64 r180; PIN_NUMBER "M2" at 182.388,149.641 h0.64 r180; PIN_NUMBER "M8" at 177.587,149.641 h0.64 r180; PIN_NUMBER "L2" at 182.388,148.84 h0.64 r180; PIN_NUMBER "L8" at 177.587,148.84 h0.64 r180; PIN_NUMBER "K2" at 182.388,148.043 h0.64 r180; PIN_NUMBER "L3" at 181.588,148.84 h0.64 r180; PIN_NUMBER "L7" at 178.387,148.84 h0.64 r180; PIN_NUMBER "J7" at 178.387,147.243 h0.64 r180; PIN_NUMBER "N7" at 178.387,150.441 h0.64 r180; PIN_NUMBER "N3" at 181.588,150.441 h0.64 r180; PIN_NUMBER "K7" at 178.387,148.043 h0.64 r180; PIN_NUMBER "M7" at 178.387,149.641 h0.64 r180; PIN_NUMBER "H7" at 178.387,146.443 h0.64 r180; PIN_NUMBER "K3" at 181.588,148.043 h0.64 r180; PIN_NUMBER "N1" at 183.188,150.441 h0.64 r180; PIN_NUMBER "A1" at 183.188,140.842 h0.64 r180; PIN_NUMBER "A8" at 177.587,140.842 h0.64 r180; PIN_NUMBER "B8" at 177.587,141.642 h0.64 r180; PIN_NUMBER "C9" at 176.787,142.442 h0.64 r180; PIN_NUMBER "L1" at 183.188,148.84 h0.64 r180; PIN_NUMBER "N9" at 176.863,151.358 h0.64 r180; PIN_NUMBER "D1" at 183.188,143.242 h0.64 r180; PIN_NUMBER "B1" at 183.188,141.642 h0.64 r180; PIN_NUMBER "L9" at 176.787,148.843 h0.64 r180; PIN_NUMBER "J1" at 183.188,147.243 h0.64 r180; PIN_NUMBER "D9" at 176.787,143.242 h0.64 r180; PIN_NUMBER "B2" at 182.388,141.642 h0.64 r180; PIN_NUMBER "D8" at 177.587,143.242 h0.64 r180; PIN_NUMBER "F8" at 177.587,144.843 h0.64 r180; PIN_NUMBER "J9" at 176.787,147.243 h0.64 r180; PIN_NUMBER "F2" at 182.388,144.843 h0.64 r180; PIN_NUMBER "G8" at 177.587,145.643 h0.64 r180; PIN_NUMBER "M9" at 176.787,149.641 h0.64 r180; PIN_NUMBER "K9" at 176.787,148.043 h0.64 r180; PIN_NUMBER "G2" at 182.388,145.643 h0.64 r180; PIN_NUMBER "E2" at 182.388,144.042 h0.64 r180; PIN_NUMBER "M1" at 183.188,149.643 h0.64 r180; PIN_NUMBER "K1" at 183.188,148.043 h0.64 r180; PIN_NUMBER "A2" at 182.388,140.842 h0.64 r180; PIN_NUMBER "A9" at 176.787,140.842 h0.64 r180; PIN_NUMBER "B9" at 176.787,141.642 h0.64 r180; PIN_NUMBER "E9" at 176.787,144.042 h0.64 r180; PIN_NUMBER "D7" at 178.387,143.242 h0.64 r180; PIN_NUMBER "C1" at 183.188,142.442 h0.64 r180
U5: PIN_NUMBER "A7" at 192.387,140.842 h0.64 r180; PIN_NUMBER "A3" at 195.588,140.842 h0.64 r180; PIN_NUMBER "F9" at 190.787,144.843 h0.64 r180; PIN_NUMBER "H1" at 197.188,146.443 h0.64 r180; PIN_NUMBER "F1" at 197.188,144.843 h0.64 r180; PIN_NUMBER "H9" at 190.787,146.443 h0.64 r180; PIN_NUMBER "C3" at 195.588,142.442 h0.64 r180; PIN_NUMBER "D3" at 195.588,143.242 h0.64 r180; PIN_NUMBER "B7" at 192.387,141.642 h0.64 r180; PIN_NUMBER "H8" at 191.587,146.443 h0.64 r180; PIN_NUMBER "H3" at 195.588,146.443 h0.64 r180; PIN_NUMBER "E1" at 197.188,144.042 h0.64 r180; PIN_NUMBER "J8" at 191.587,147.243 h0.64 r180; PIN_NUMBER "N2" at 196.388,150.441 h0.64 r180; PIN_NUMBER "F3" at 195.588,144.843 h0.64 r180; PIN_NUMBER "G1" at 197.188,145.643 h0.64 r180; PIN_NUMBER "B3" at 195.588,141.642 h0.64 r180; PIN_NUMBER "C2" at 196.388,142.442 h0.64 r180; PIN_NUMBER "C7" at 192.387,142.442 h0.64 r180; PIN_NUMBER "E8" at 191.587,144.042 h0.64 r180; PIN_NUMBER "E3" at 195.588,144.042 h0.64 r180; PIN_NUMBER "D2" at 196.388,143.242 h0.64 r180; PIN_NUMBER "E7" at 192.387,144.042 h0.64 r180; PIN_NUMBER "C8" at 191.587,142.442 h0.64 r180; PIN_NUMBER "H2" at 196.388,146.443 h0.64 r180; PIN_NUMBER "G9" at 190.787,145.643 h0.64 r180; PIN_NUMBER "G7" at 192.387,145.643 h0.64 r180; PIN_NUMBER "F7" at 192.387,144.843 h0.64 r180; PIN_NUMBER "G3" at 195.588,145.643 h0.64 r180; PIN_NUMBER "J3" at 195.588,147.243 h0.64 r180; PIN_NUMBER "K8" at 191.587,148.043 h0.64 r180; PIN_NUMBER "J2" at 196.388,147.243 h0.64 r180; PIN_NUMBER "M3" at 195.588,149.641 h0.64 r180; PIN_NUMBER "N8" at 191.587,150.441 h0.64 r180; PIN_NUMBER "M2" at 196.388,149.641 h0.64 r180; PIN_NUMBER "M8" at 191.587,149.641 h0.64 r180; PIN_NUMBER "L2" at 196.388,148.84 h0.64 r180; PIN_NUMBER "L8" at 191.587,148.84 h0.64 r180; PIN_NUMBER "K2" at 196.388,148.043 h0.64 r180; PIN_NUMBER "L3" at 195.588,148.84 h0.64 r180; PIN_NUMBER "L7" at 192.387,148.84 h0.64 r180; PIN_NUMBER "J7" at 192.387,147.243 h0.64 r180; PIN_NUMBER "N7" at 192.387,150.441 h0.64 r180; PIN_NUMBER "N3" at 195.588,150.441 h0.64 r180; PIN_NUMBER "K7" at 192.387,148.043 h0.64 r180; PIN_NUMBER "M7" at 192.387,149.641 h0.64 r180; PIN_NUMBER "H7" at 192.387,146.443 h0.64 r180; PIN_NUMBER "K3" at 195.588,148.043 h0.64 r180; PIN_NUMBER "N1" at 197.188,150.441 h0.64 r180; PIN_NUMBER "A8" at 191.587,140.842 h0.64 r180; PIN_NUMBER "A1" at 197.188,140.842 h0.64 r180; PIN_NUMBER "C9" at 190.787,142.442 h0.64 r180; PIN_NUMBER "N9" at 190.863,151.358 h0.64 r180; PIN_NUMBER "L1" at 197.188,148.84 h0.64 r180; PIN_NUMBER "B1" at 197.188,141.642 h0.64 r180; PIN_NUMBER "J9" at 190.787,147.243 h0.64 r180; PIN_NUMBER "L9" at 190.787,148.843 h0.64 r180; PIN_NUMBER "J1" at 197.188,147.243 h0.64 r180; PIN_NUMBER "D1" at 197.188,143.242 h0.64 r180; PIN_NUMBER "D9" at 190.787,143.242 h0.64 r180; PIN_NUMBER "D8" at 191.587,143.242 h0.64 r180; PIN_NUMBER "B2" at 196.388,141.642 h0.64 r180; PIN_NUMBER "B8" at 191.587,141.642 h0.64 r180; PIN_NUMBER "F8" at 191.587,144.843 h0.64 r180; PIN_NUMBER "F2" at 196.388,144.843 h0.64 r180; PIN_NUMBER "M9" at 190.787,149.641 h0.64 r180; PIN_NUMBER "K9" at 190.787,148.043 h0.64 r180; PIN_NUMBER "G8" at 191.587,145.643 h0.64 r180; PIN_NUMBER "G2" at 196.388,145.643 h0.64 r180; PIN_NUMBER "E2" at 196.388,144.042 h0.64 r180; PIN_NUMBER "M1" at 197.188,149.643 h0.64 r180; PIN_NUMBER "K1" at 197.188,148.043 h0.64 r180; PIN_NUMBER "E9" at 190.787,144.042 h0.64 r180; PIN_NUMBER "A2" at 196.388,140.842 h0.64 r180; PIN_NUMBER "A9" at 190.787,140.842 h0.64 r180; PIN_NUMBER "B9" at 190.787,141.642 h0.64 r180; PIN_NUMBER "C1" at 197.188,142.442 h0.64 r180; PIN_NUMBER "D7" at 192.387,143.242 h0.64 r180
U6: PIN_NUMBER "A7" at 206.387,140.842 h0.64 r180; PIN_NUMBER "A3" at 209.588,140.842 h0.64 r180; PIN_NUMBER "F9" at 204.787,144.843 h0.64 r180; PIN_NUMBER "H1" at 211.188,146.443 h0.64 r180; PIN_NUMBER "F1" at 211.188,144.843 h0.64 r180; PIN_NUMBER "H9" at 204.787,146.443 h0.64 r180; PIN_NUMBER "C3" at 209.588,142.442 h0.64 r180; PIN_NUMBER "D3" at 209.588,143.242 h0.64 r180; PIN_NUMBER "B7" at 206.387,141.642 h0.64 r180; PIN_NUMBER "H8" at 205.587,146.443 h0.64 r180; PIN_NUMBER "H3" at 209.588,146.443 h0.64 r180; PIN_NUMBER "E1" at 211.188,144.042 h0.64 r180; PIN_NUMBER "J8" at 205.587,147.243 h0.64 r180; PIN_NUMBER "N2" at 210.388,150.441 h0.64 r180; PIN_NUMBER "F3" at 209.588,144.843 h0.64 r180; PIN_NUMBER "G1" at 211.188,145.643 h0.64 r180; PIN_NUMBER "B3" at 209.588,141.642 h0.64 r180; PIN_NUMBER "C2" at 210.388,142.442 h0.64 r180; PIN_NUMBER "C7" at 206.387,142.442 h0.64 r180; PIN_NUMBER "E8" at 205.587,144.042 h0.64 r180; PIN_NUMBER "E3" at 209.588,144.042 h0.64 r180; PIN_NUMBER "D2" at 210.388,143.242 h0.64 r180; PIN_NUMBER "E7" at 206.387,144.042 h0.64 r180; PIN_NUMBER "C8" at 205.587,142.442 h0.64 r180; PIN_NUMBER "H2" at 210.388,146.443 h0.64 r180; PIN_NUMBER "G9" at 204.787,145.643 h0.64 r180; PIN_NUMBER "G7" at 206.387,145.643 h0.64 r180; PIN_NUMBER "F7" at 206.387,144.843 h0.64 r180; PIN_NUMBER "G3" at 209.588,145.643 h0.64 r180; PIN_NUMBER "J3" at 209.588,147.243 h0.64 r180; PIN_NUMBER "K8" at 205.587,148.043 h0.64 r180; PIN_NUMBER "J2" at 210.388,147.243 h0.64 r180; PIN_NUMBER "M3" at 209.588,149.641 h0.64 r180; PIN_NUMBER "N8" at 205.587,150.441 h0.64 r180; PIN_NUMBER "M2" at 210.388,149.641 h0.64 r180; PIN_NUMBER "M8" at 205.587,149.641 h0.64 r180; PIN_NUMBER "L2" at 210.388,148.84 h0.64 r180; PIN_NUMBER "L8" at 205.587,148.84 h0.64 r180; PIN_NUMBER "K2" at 210.388,148.043 h0.64 r180; PIN_NUMBER "L3" at 209.588,148.84 h0.64 r180; PIN_NUMBER "L7" at 206.387,148.84 h0.64 r180; PIN_NUMBER "J7" at 206.387,147.243 h0.64 r180; PIN_NUMBER "N7" at 206.387,150.441 h0.64 r180; PIN_NUMBER "N3" at 209.588,150.441 h0.64 r180; PIN_NUMBER "K7" at 206.387,148.043 h0.64 r180; PIN_NUMBER "M7" at 206.387,149.641 h0.64 r180; PIN_NUMBER "H7" at 206.387,146.443 h0.64 r180; PIN_NUMBER "K3" at 209.588,148.043 h0.64 r180; PIN_NUMBER "N1" at 211.188,150.441 h0.64 r180; PIN_NUMBER "B2" at 210.388,141.642 h0.64 r180; PIN_NUMBER "A8" at 205.587,140.842 h0.64 r180; PIN_NUMBER "C9" at 204.787,142.442 h0.64 r180; PIN_NUMBER "D8" at 205.587,143.242 h0.64 r180; PIN_NUMBER "B8" at 205.587,141.642 h0.64 r180; PIN_NUMBER "A1" at 211.188,140.842 h0.64 r180; PIN_NUMBER "D9" at 204.787,143.242 h0.64 r180; PIN_NUMBER "L1" at 211.188,148.84 h0.64 r180; PIN_NUMBER "N9" at 204.863,151.358 h0.64 r180; PIN_NUMBER "D1" at 211.188,143.242 h0.64 r180; PIN_NUMBER "B1" at 211.188,141.642 h0.64 r180; PIN_NUMBER "L9" at 204.787,148.843 h0.64 r180; PIN_NUMBER "J9" at 204.787,147.243 h0.64 r180; PIN_NUMBER "J1" at 211.188,147.243 h0.64 r180; PIN_NUMBER "F8" at 205.587,144.843 h0.64 r180; PIN_NUMBER "F2" at 210.388,144.843 h0.64 r180; PIN_NUMBER "M9" at 204.787,149.641 h0.64 r180; PIN_NUMBER "K9" at 204.787,148.043 h0.64 r180; PIN_NUMBER "G8" at 205.587,145.643 h0.64 r180; PIN_NUMBER "M1" at 211.188,149.643 h0.64 r180; PIN_NUMBER "K1" at 211.188,148.043 h0.64 r180; PIN_NUMBER "E2" at 210.388,144.042 h0.64 r180; PIN_NUMBER "G2" at 210.388,145.643 h0.64 r180; PIN_NUMBER "B9" at 204.787,141.642 h0.64 r180; PIN_NUMBER "A9" at 204.787,140.842 h0.64 r180; PIN_NUMBER "E9" at 204.787,144.042 h0.64 r180; PIN_NUMBER "A2" at 210.388,140.842 h0.64 r180; PIN_NUMBER "C1" at 211.188,142.442 h0.64 r180; PIN_NUMBER "D7" at 206.387,143.242 h0.64 r180
U7: PIN_NUMBER "A7" at 220.387,140.842 h0.64 r180; PIN_NUMBER "A3" at 223.588,140.842 h0.64 r180; PIN_NUMBER "F9" at 218.787,144.843 h0.64 r180; PIN_NUMBER "H1" at 225.188,146.443 h0.64 r180; PIN_NUMBER "F1" at 225.188,144.843 h0.64 r180; PIN_NUMBER "H9" at 218.787,146.443 h0.64 r180; PIN_NUMBER "C3" at 223.588,142.442 h0.64 r180; PIN_NUMBER "D3" at 223.588,143.242 h0.64 r180; PIN_NUMBER "B7" at 220.387,141.642 h0.64 r180; PIN_NUMBER "H8" at 219.587,146.443 h0.64 r180; PIN_NUMBER "H3" at 223.588,146.443 h0.64 r180; PIN_NUMBER "E1" at 225.188,144.042 h0.64 r180; PIN_NUMBER "J8" at 219.587,147.243 h0.64 r180; PIN_NUMBER "N2" at 224.388,150.441 h0.64 r180; PIN_NUMBER "F3" at 223.588,144.843 h0.64 r180; PIN_NUMBER "G1" at 225.188,145.643 h0.64 r180; PIN_NUMBER "B3" at 223.588,141.642 h0.64 r180; PIN_NUMBER "C2" at 224.388,142.442 h0.64 r180; PIN_NUMBER "C7" at 220.387,142.442 h0.64 r180; PIN_NUMBER "E8" at 219.587,144.042 h0.64 r180; PIN_NUMBER "E3" at 223.588,144.042 h0.64 r180; PIN_NUMBER "D2" at 224.388,143.242 h0.64 r180; PIN_NUMBER "E7" at 220.387,144.042 h0.64 r180; PIN_NUMBER "C8" at 219.587,142.442 h0.64 r180; PIN_NUMBER "H2" at 224.388,146.443 h0.64 r180; PIN_NUMBER "G9" at 218.787,145.643 h0.64 r180; PIN_NUMBER "G7" at 220.387,145.643 h0.64 r180; PIN_NUMBER "F7" at 220.387,144.843 h0.64 r180; PIN_NUMBER "G3" at 223.588,145.643 h0.64 r180; PIN_NUMBER "J3" at 223.588,147.243 h0.64 r180; PIN_NUMBER "K8" at 219.587,148.043 h0.64 r180; PIN_NUMBER "J2" at 224.388,147.243 h0.64 r180; PIN_NUMBER "M3" at 223.588,149.641 h0.64 r180; PIN_NUMBER "N8" at 219.587,150.441 h0.64 r180; PIN_NUMBER "M2" at 224.388,149.641 h0.64 r180; PIN_NUMBER "M8" at 219.587,149.641 h0.64 r180; PIN_NUMBER "L2" at 224.388,148.84 h0.64 r180; PIN_NUMBER "L8" at 219.587,148.84 h0.64 r180; PIN_NUMBER "K2" at 224.388,148.043 h0.64 r180; PIN_NUMBER "L3" at 223.588,148.84 h0.64 r180; PIN_NUMBER "L7" at 220.387,148.84 h0.64 r180; PIN_NUMBER "J7" at 220.387,147.243 h0.64 r180; PIN_NUMBER "N7" at 220.387,150.441 h0.64 r180; PIN_NUMBER "N3" at 223.588,150.441 h0.64 r180; PIN_NUMBER "K7" at 220.387,148.043 h0.64 r180; PIN_NUMBER "M7" at 220.387,149.641 h0.64 r180; PIN_NUMBER "H7" at 220.387,146.443 h0.64 r180; PIN_NUMBER "K3" at 223.588,148.043 h0.64 r180; PIN_NUMBER "C9" at 218.787,142.442 h0.64 r180; PIN_NUMBER "D9" at 218.787,143.242 h0.64 r180; PIN_NUMBER "D8" at 219.587,143.242 h0.64 r180; PIN_NUMBER "L1" at 225.188,148.84 h0.64 r180; PIN_NUMBER "J1" at 225.188,147.243 h0.64 r180; PIN_NUMBER "B2" at 224.388,141.642 h0.64 r180; PIN_NUMBER "A1" at 225.188,140.842 h0.64 r180; PIN_NUMBER "B1" at 225.188,141.642 h0.64 r180; PIN_NUMBER "L9" at 218.787,148.843 h0.64 r180; PIN_NUMBER "J9" at 218.787,147.243 h0.64 r180; PIN_NUMBER "N1" at 225.188,150.441 h0.64 r180; PIN_NUMBER "B8" at 219.587,141.642 h0.64 r180; PIN_NUMBER "D1" at 225.188,143.242 h0.64 r180; PIN_NUMBER "A8" at 219.587,140.842 h0.64 r180; PIN_NUMBER "N9" at 218.863,151.358 h0.64 r180; PIN_NUMBER "F8" at 219.587,144.843 h0.64 r180; PIN_NUMBER "F2" at 224.388,144.843 h0.64 r180; PIN_NUMBER "G8" at 219.587,145.643 h0.64 r180; PIN_NUMBER "M9" at 218.787,149.641 h0.64 r180; PIN_NUMBER "K9" at 218.787,148.043 h0.64 r180; PIN_NUMBER "M1" at 225.188,149.643 h0.64 r180; PIN_NUMBER "E2" at 224.388,144.042 h0.64 r180; PIN_NUMBER "G2" at 224.388,145.643 h0.64 r180; PIN_NUMBER "K1" at 225.188,148.043 h0.64 r180; PIN_NUMBER "A9" at 218.787,140.842 h0.64 r180; PIN_NUMBER "B9" at 218.787,141.642 h0.64 r180; PIN_NUMBER "E9" at 218.787,144.042 h0.64 r180; PIN_NUMBER "D7" at 220.387,143.242 h0.64 r180; PIN_NUMBER "A2" at 224.388,140.842 h0.64 r180; PIN_NUMBER "C1" at 225.188,142.442 h0.64 r180
U8: PIN_NUMBER "3" at 168.74,140.817 h0.64 r270; PIN_NUMBER "8" at 169.74,138.023 h0.64 r270; PIN_NUMBER "5" at 168.24,138.023 h0.64 r270; PIN_NUMBER "6" at 168.74,138.023 h0.64 r270; PIN_NUMBER "2" at 169.24,140.817 h0.64 r270; PIN_NUMBER "1" at 169.74,140.817 h0.64 r270; PIN_NUMBER "9" at 168.99,139.42 h0.64 r270; PIN_NUMBER "4" at 168.24,140.817 h0.64 r270; PIN_NUMBER "7" at 169.24,138.023 h0.64 r270
ZR0: PIN_NUMBER "1" at 107.945,146.844 h0.5 r90; PIN_NUMBER "2" at 107.945,147.758 h0.5 r90
ZR1: PIN_NUMBER "1" at 121.945,146.843 h0.5 r90; PIN_NUMBER "2" at 121.945,147.757 h0.5 r90
ZR2: PIN_NUMBER "1" at 135.945,146.843 h0.5 r90; PIN_NUMBER "2" at 135.945,147.757 h0.5 r90
ZR3: PIN_NUMBER "1" at 149.945,146.843 h0.5 r90; PIN_NUMBER "2" at 149.945,147.757 h0.5 r90
ZR4: PIN_NUMBER "1" at 173.295,147.757 h0.5 r270; PIN_NUMBER "2" at 173.295,146.843 h0.5 r270
ZR5: PIN_NUMBER "1" at 187.295,146.843 h0.5 r90; PIN_NUMBER "2" at 187.295,147.757 h0.5 r90
ZR6: PIN_NUMBER "1" at 201.295,146.843 h0.5 r90; PIN_NUMBER "2" at 201.295,147.757 h0.5 r90
ZR7: PIN_NUMBER "1" at 215.295,146.843 h0.5 r90; PIN_NUMBER "2" at 215.295,147.757 h0.5 r90